# KiCad board hall effect keyboard.kicad_pcb (continued)
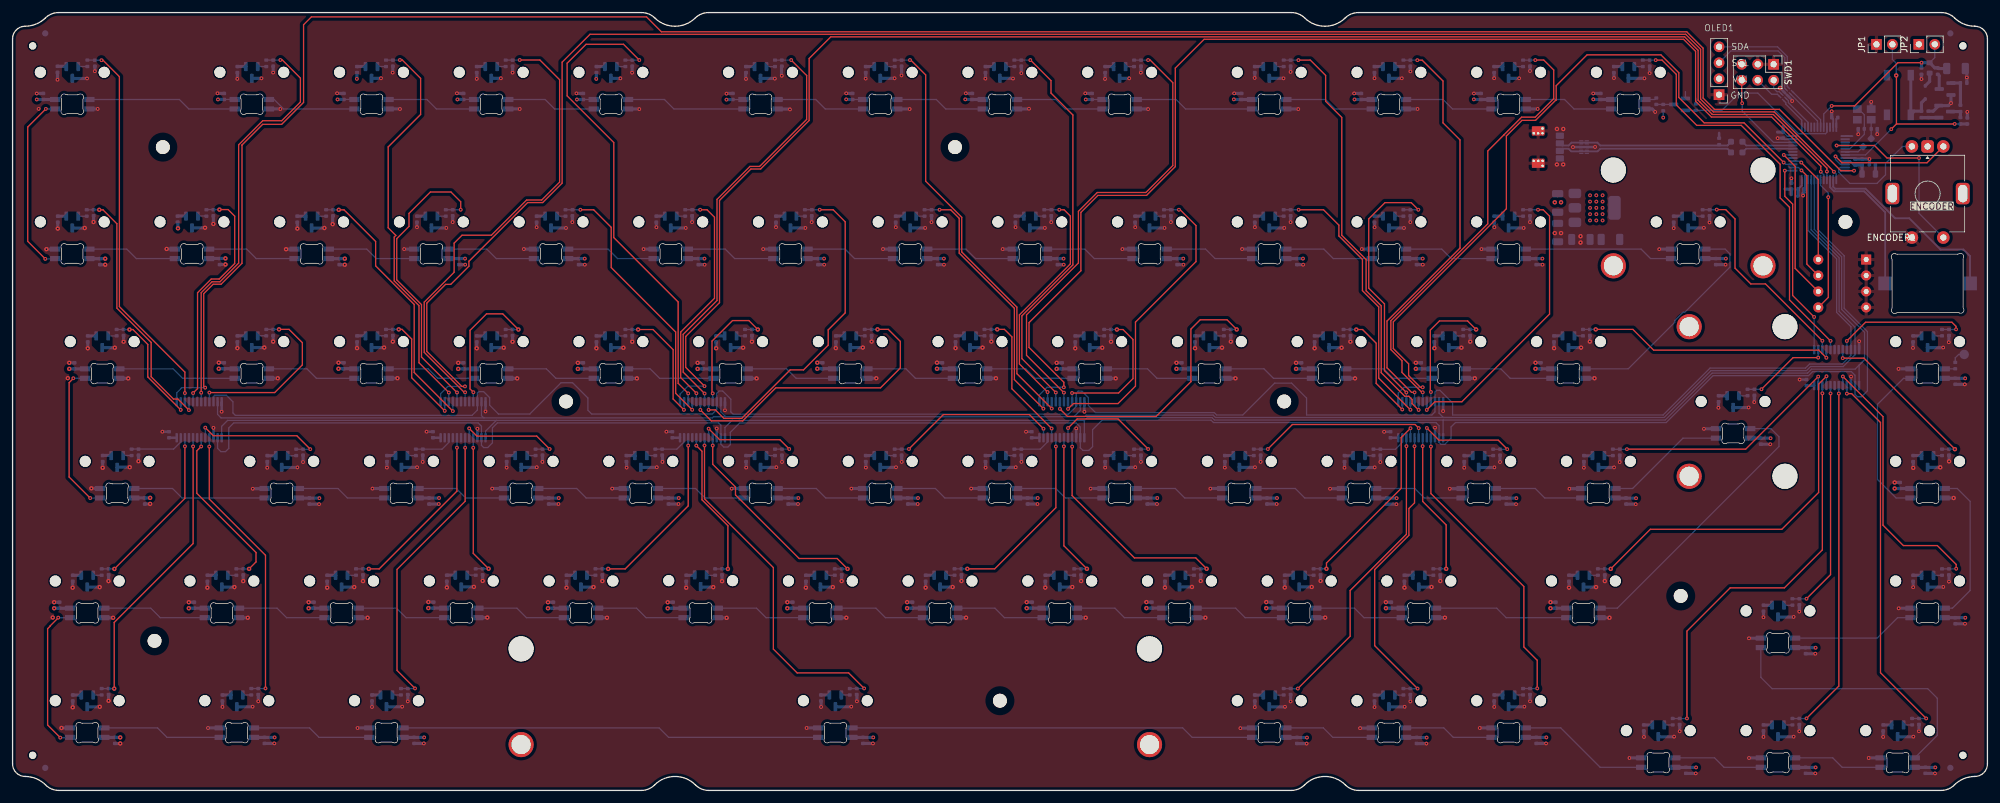
[diagram p0: board, top side]
## Placement (name value [footprint] x y rotation side) (continued)
HALL73  SLSS49E-3  [SLSS49E-3 with MX holes]  35.69 14.28 180 bottom
HALL74  SLSS49E-3  [SLSS49E-3 with MX holes]  59.5 14.28 180 bottom
HALL75  SLSS49E-3  [SLSS49E-3 with MX holes]  130.94 14.28 180 bottom
HALL76  SLSS49E-3  [SLSS49E-3 with MX holes]  200 14.28 180 bottom
HALL77  SLSS49E-3  [SLSS49E-3 with MX holes]  219.05 14.28 180 bottom
HALL78  SLSS49E-3  [SLSS49E-3 with MX holes]  238.1 14.28 180 bottom
HALL79  SLSS49E-3  [SLSS49E-3 with MX holes]  261.91 9.52 180 bottom
HALL80  SLSS49E-3  [SLSS49E-3 with MX holes]  280.96 9.52 180 bottom
HALL81  SLSS49E-3  [SLSS49E-3 with MX holes]  300.01 9.52 180 bottom
JP1  Jumper_2_Open  [PinHeader_1x02_P2.54mm_Vertical]  296.64 118.74 90 top
JP2  Jumper_2_Open  [PinHeader_1x02_P2.54mm_Vertical]  303.38 118.74 90 top
LED1  MX_SK6812MINI-EA  [SK 6812 MINI-EA]  257.15 109.21 180 bottom
LED2  MX_SK6812MINI-EA  [SK 6812 MINI-EA]  238.1 109.21 180 bottom
LED3  MX_SK6812MINI-EA  [SK 6812 MINI-EA]  219.05 109.21 180 bottom
LED4  MX_SK6812MINI-EA  [SK 6812 MINI-EA]  200 109.21 180 bottom
LED5  MX_SK6812MINI-EA  [SK 6812 MINI-EA]  176.19 109.21 180 bottom
LED6  MX_SK6812MINI-EA  [SK 6812 MINI-EA]  157.14 109.21 180 bottom
LED7  MX_SK6812MINI-EA  [SK 6812 MINI-EA]  138.09 109.21 180 bottom
LED8  MX_SK6812MINI-EA  [SK 6812 MINI-EA]  119.04 109.21 180 bottom
LED9  MX_SK6812MINI-EA  [SK 6812 MINI-EA]  95.23 109.21 180 bottom
LED10  MX_SK6812MINI-EA  [SK 6812 MINI-EA]  76.17 109.21 180 bottom
LED11  MX_SK6812MINI-EA  [SK 6812 MINI-EA]  57.12 109.21 180 bottom
LED12  MX_SK6812MINI-EA  [SK 6812 MINI-EA]  38.08 109.21 180 bottom
LED13  MX_SK6812MINI-EA  [SK 6812 MINI-EA]  9.5 109.21 180 bottom
LED14  MX_SK6812MINI-EA  [SK 6812 MINI-EA#2]  9.5 85.4 180 bottom
LED15  MX_SK6812MINI-EA  [SK 6812 MINI-EA#2]  28.55 85.4 180 bottom
LED16  MX_SK6812MINI-EA  [SK 6812 MINI-EA#2]  47.6 85.4 180 bottom
LED17  MX_SK6812MINI-EA  [SK 6812 MINI-EA#2]  66.65 85.4 180 bottom
LED18  MX_SK6812MINI-EA  [SK 6812 MINI-EA#2]  85.7 85.4 180 bottom
LED19  MX_SK6812MINI-EA  [SK 6812 MINI-EA#2]  104.75 85.4 180 bottom
LED20  MX_SK6812MINI-EA  [SK 6812 MINI-EA#2]  123.8 85.4 180 bottom
LED21  MX_SK6812MINI-EA  [SK 6812 MINI-EA#2]  142.85 85.4 180 bottom
LED22  MX_SK6812MINI-EA  [SK 6812 MINI-EA#2]  161.9 85.4 180 bottom
LED23  MX_SK6812MINI-EA  [SK 6812 MINI-EA#2]  180.95 85.4 180 bottom
LED24  MX_SK6812MINI-EA  [SK 6812 MINI-EA#2]  200 85.4 180 bottom
LED25  MX_SK6812MINI-EA  [SK 6812 MINI-EA#2]  219.05 85.4 180 bottom
LED26  MX_SK6812MINI-EA  [SK 6812 MINI-EA#2]  238.1 85.4 180 bottom
LED27  MX_SK6812MINI-EA  [SK 6812 MINI-EA#2]  266.68 85.4 180 bottom
LED28  MX_SK6812MINI-EA  [SK 6812 MINI-EA]  247.62 66.35 180 bottom
LED29  MX_SK6812MINI-EA  [SK 6812 MINI-EA]  228.57 66.35 180 bottom
LED30  MX_SK6812MINI-EA  [SK 6812 MINI-EA]  209.52 66.35 180 bottom
LED31  MX_SK6812MINI-EA  [SK 6812 MINI-EA]  190.48 66.35 180 bottom
LED32  MX_SK6812MINI-EA  [SK 6812 MINI-EA]  171.43 66.35 180 bottom
LED33  MX_SK6812MINI-EA  [SK 6812 MINI-EA]  152.38 66.35 180 bottom
LED34  MX_SK6812MINI-EA  [SK 6812 MINI-EA]  133.32 66.35 180 bottom
LED35  MX_SK6812MINI-EA  [SK 6812 MINI-EA]  114.27 66.35 180 bottom
LED36  MX_SK6812MINI-EA  [SK 6812 MINI-EA]  95.23 66.35 180 bottom
LED37  MX_SK6812MINI-EA  [SK 6812 MINI-EA]  76.17 66.35 180 bottom
LED38  MX_SK6812MINI-EA  [SK 6812 MINI-EA]  57.12 66.35 180 bottom
LED39  MX_SK6812MINI-EA  [SK 6812 MINI-EA]  38.08 66.35 180 bottom
LED40  MX_SK6812MINI-EA  [SK 6812 MINI-EA]  14.26 66.35 180 bottom
LED41  MX_SK6812MINI-EA  [SK 6812 MINI-EA#2]  16.64 47.3 180 bottom
LED42  MX_SK6812MINI-EA  [SK 6812 MINI-EA#2]  42.84 47.3 180 bottom
LED43  MX_SK6812MINI-EA  [SK 6812 MINI-EA#2]  61.89 47.3 180 bottom
LED44  MX_SK6812MINI-EA  [SK 6812 MINI-EA#2]  80.94 47.3 180 bottom
LED45  MX_SK6812MINI-EA  [SK 6812 MINI-EA#2]  99.99 47.3 180 bottom
LED46  MX_SK6812MINI-EA  [SK 6812 MINI-EA#2]  119.04 47.3 180 bottom
LED47  MX_SK6812MINI-EA  [SK 6812 MINI-EA#2]  138.09 47.3 180 bottom
LED48  MX_SK6812MINI-EA  [SK 6812 MINI-EA#2]  157.14 47.3 180 bottom
LED49  MX_SK6812MINI-EA  [SK 6812 MINI-EA#2]  176.19 47.3 180 bottom
LED50  MX_SK6812MINI-EA  [SK 6812 MINI-EA#2]  195.24 47.3 180 bottom
LED51  MX_SK6812MINI-EA  [SK 6812 MINI-EA#2]  214.29 47.3 180 bottom
LED52  MX_SK6812MINI-EA  [SK 6812 MINI-EA#2]  233.34 47.3 180 bottom
LED53  MX_SK6812MINI-EA  [SK 6812 MINI-EA#2]  252.39 47.3 180 bottom
LED54  MX_SK6812MINI-EA  [SK 6812 MINI-EA#2]  273.82 56.82 180 bottom
LED55  MX_SK6812MINI-EA  [SK 6812 MINI-EA]  250.01 28.25 180 bottom
LED56  MX_SK6812MINI-EA  [SK 6812 MINI-EA]  223.81 28.25 180 bottom
LED57  MX_SK6812MINI-EA  [SK 6812 MINI-EA]  204.76 28.25 180 bottom
LED58  MX_SK6812MINI-EA  [SK 6812 MINI-EA]  185.71 28.25 180 bottom
LED59  MX_SK6812MINI-EA  [SK 6812 MINI-EA]  166.66 28.25 180 bottom
LED60  MX_SK6812MINI-EA  [SK 6812 MINI-EA]  147.61 28.25 180 bottom
LED61  MX_SK6812MINI-EA  [SK 6812 MINI-EA]  128.56 28.25 180 bottom
LED62  MX_SK6812MINI-EA  [SK 6812 MINI-EA]  109.51 28.25 180 bottom
LED63  MX_SK6812MINI-EA  [SK 6812 MINI-EA]  90.46 28.25 180 bottom
LED64  MX_SK6812MINI-EA  [SK 6812 MINI-EA]  71.41 28.25 180 bottom
LED65  MX_SK6812MINI-EA  [SK 6812 MINI-EA]  52.36 28.25 180 bottom
LED66  MX_SK6812MINI-EA  [SK 6812 MINI-EA]  33.31 28.25 180 bottom
LED67  MX_SK6812MINI-EA  [SK 6812 MINI-EA]  11.88 28.25 180 bottom
LED68  MX_SK6812MINI-EA  [SK 6812 MINI-EA#2]  11.88 9.2 180 bottom
LED69  MX_SK6812MINI-EA  [SK 6812 MINI-EA#2]  35.69 9.2 180 bottom
LED70  MX_SK6812MINI-EA  [SK 6812 MINI-EA#2]  59.5 9.2 180 bottom
LED71  MX_SK6812MINI-EA  [SK 6812 MINI-EA#2]  130.94 9.2 180 bottom
LED72  MX_SK6812MINI-EA  [SK 6812 MINI-EA#2]  200 9.2 180 bottom
LED73  MX_SK6812MINI-EA  [SK 6812 MINI-EA#2]  219.05 9.2 180 bottom
LED74  MX_SK6812MINI-EA  [SK 6812 MINI-EA#2]  238.1 9.2 180 bottom
LED75  MX_SK6812MINI-EA  [SK 6812 MINI-EA#2]  261.91 4.44 180 bottom
LED76  MX_SK6812MINI-EA  [SK 6812 MINI-EA#2]  280.96 4.44 180 bottom
LED77  MX_SK6812MINI-EA  [SK 6812 MINI-EA#2]  300.01 4.44 180 bottom
LED78  MX_SK6812MINI-EA  [SK 6812 MINI-EA#2]  280.96 23.49 180 bottom
LED79  MX_SK6812MINI-EA  [SK 6812 MINI-EA#2]  304.78 28.25 180 bottom
LED80  MX_SK6812MINI-EA  [SK 6812 MINI-EA]  304.78 47.3 180 bottom
LED81  MX_SK6812MINI-EA  [SK 6812 MINI-EA#2]  304.78 66.35 180 bottom
OLED1  Conn_01x04_Socket  [OLED Module]  271.59 114.54 0 top
Q1  BSS138  [SOT-23]  265.3 109.18 180 bottom
Q2  BSS138  [SOT-23]  307.56 111.63 180 bottom
Q3  BSS138  [SOT-23]  307.5 108.04 0 bottom
R1  10k  [R_0402_1005Metric]  11.9 115.73 90 bottom
R2  10k  [R_0402_1005Metric]  40.38 115.72 90 bottom
R3  10k  [R_0402_1005Metric]  59.42 115.72 90 bottom
R4  10k  [R_0402_1005Metric]  78.48 115.72 90 bottom
R5  10k  [R_0402_1005Metric]  97.52 115.72 90 bottom
R6  10k  [R_0402_1005Metric]  121.34 115.72 90 bottom
R7  10k  [R_0402_1005Metric]  140.39 115.72 90 bottom
R8  10k  [R_0402_1005Metric]  159.44 115.72 90 bottom
R9  10k  [R_0402_1005Metric]  178.49 115.72 90 bottom
R10  10k  [R_0402_1005Metric]  202.3 115.72 90 bottom
R11  10k  [R_0402_1005Metric]  221.35 115.72 90 bottom
R12  10k  [R_0402_1005Metric]  240.4 115.72 90 bottom
R13  10k  [R_0402_1005Metric]  259.45 115.72 90 bottom
R14  10k  [R_0402_1005Metric]  11.8 91.91 90 bottom
R15  10k  [R_0402_1005Metric]  30.85 91.91 90 bottom
R16  10k  [R_0402_1005Metric]  49.9 91.91 90 bottom
R17  10k  [R_0402_1005Metric]  68.95 91.91 90 bottom
R18  10k  [R_0402_1005Metric]  88 91.91 90 bottom
R19  10k  [R_0402_1005Metric]  107.05 91.91 90 bottom
R20  10k  [R_0402_1005Metric]  126.1 91.91 90 bottom
R21  10k  [R_0402_1005Metric]  145.15 91.91 90 bottom
R22  10k  [R_0402_1005Metric]  164.2 91.91 90 bottom
R23  10k  [R_0402_1005Metric]  183.25 91.91 90 bottom
R24  10k  [R_0402_1005Metric]  202.3 91.91 90 bottom
R25  10k  [R_0402_1005Metric]  221.35 91.91 90 bottom
R26  10k  [R_0402_1005Metric]  240.4 91.91 90 bottom
R27  10k  [R_0402_1005Metric]  268.98 91.91 90 bottom
R28  10k  [R_0402_1005Metric]  16.56 72.86 90 bottom
R29  10k  [R_0402_1005Metric]  40.38 72.86 90 bottom
R30  10k  [R_0402_1005Metric]  59.42 72.86 90 bottom
R31  10k  [R_0402_1005Metric]  78.48 72.86 90 bottom
R32  10k  [R_0402_1005Metric]  97.52 72.86 90 bottom
R33  10k  [R_0402_1005Metric]  116.58 72.86 90 bottom
R34  10k  [R_0402_1005Metric]  135.62 72.86 90 bottom
R35  10k  [R_0402_1005Metric]  154.68 72.86 90 bottom
R36  10k  [R_0402_1005Metric]  173.73 72.86 90 bottom
R37  10k  [R_0402_1005Metric]  192.77 72.86 90 bottom
R38  10k  [R_0402_1005Metric]  211.82 72.86 90 bottom
R39  10k  [R_0402_1005Metric]  230.88 72.86 90 bottom
R40  10k  [R_0402_1005Metric]  249.93 72.86 90 bottom
R41  10k  [R_0402_1005Metric]  276.12 63.33 90 bottom
R42  10k  [R_0402_1005Metric]  307.07 72.86 90 bottom
R43  10k  [R_0402_1005Metric]  18.94 53.81 90 bottom
R44  10k  [R_0402_1005Metric]  45.14 53.81 90 bottom
R45  10k  [R_0402_1005Metric]  64.19 53.81 90 bottom
R46  10k  [R_0402_1005Metric]  83.24 53.81 90 bottom
R47  10k  [R_0402_1005Metric]  102.29 53.81 90 bottom
R48  10k  [R_0402_1005Metric]  121.34 53.81 90 bottom
R49  10k  [R_0402_1005Metric]  140.39 53.81 90 bottom
R50  10k  [R_0402_1005Metric]  159.44 53.81 90 bottom
R51  10k  [R_0402_1005Metric]  178.49 53.81 90 bottom
R52  10k  [R_0402_1005Metric]  197.54 53.81 90 bottom
R53  10k  [R_0402_1005Metric]  216.59 53.81 90 bottom
R54  10k  [R_0402_1005Metric]  235.64 53.81 90 bottom
R55  10k  [R_0402_1005Metric]  254.69 53.81 90 bottom
R56  10k  [R_0402_1005Metric]  307.07 53.81 90 bottom
R57  10k  [R_0402_1005Metric]  14.18 34.76 90 bottom
R58  10k  [R_0402_1005Metric]  35.61 34.76 90 bottom
R59  10k  [R_0402_1005Metric]  54.66 34.76 90 bottom
R60  10k  [R_0402_1005Metric]  73.71 34.76 90 bottom
R61  10k  [R_0402_1005Metric]  92.76 34.76 90 bottom
R62  10k  [R_0402_1005Metric]  111.81 34.76 90 bottom
R63  10k  [R_0402_1005Metric]  130.86 34.76 90 bottom
R64  10k  [R_0402_1005Metric]  149.91 34.76 90 bottom
R65  10k  [R_0402_1005Metric]  168.96 34.76 90 bottom
R66  10k  [R_0402_1005Metric]  188.01 34.76 90 bottom
R67  10k  [R_0402_1005Metric]  207.06 34.76 90 bottom
R68  10k  [R_0402_1005Metric]  226.11 34.76 90 bottom
R69  10k  [R_0402_1005Metric]  252.31 34.76 90 bottom
R70  10k  [R_0402_1005Metric]  307.07 34.76 90 bottom
R71  10k  [R_0402_1005Metric]  283.26 29.99 90 bottom
R72  10k  [R_0402_1005Metric]  14.18 15.71 90 bottom
R73  10k  [R_0402_1005Metric]  37.99 15.71 90 bottom
R74  10k  [R_0402_1005Metric]  61.81 15.71 90 bottom
R75  10k  [R_0402_1005Metric]  133.24 15.71 90 bottom
R76  10k  [R_0402_1005Metric]  202.3 15.71 90 bottom
R77  10k  [R_0402_1005Metric]  221.35 15.71 90 bottom
R78  10k  [R_0402_1005Metric]  240.4 15.71 90 bottom
R79  10k  [R_0402_1005Metric]  264.21 10.94 90 bottom
R80  10k  [R_0402_1005Metric]  283.26 10.94 90 bottom
R81  10k  [R_0402_1005Metric]  302.31 10.94 90 bottom
R82  1  [R_1206_3216Metric]  245.9 88.79 270 bottom
R83  1  [R_1206_3216Metric]  249.6 87.69 180 bottom
R84  1k5  [R_0402_1005Metric]  271.6 103.29 90 bottom
R85  0  [R_0603_1608Metric_Pad0.98x0.95mm_HandSolder]  274.4 101.54 0 bottom
R86  0  [R_0603_1608Metric_Pad0.98x0.95mm_HandSolder]  274.4 103.24 0 bottom
R87  0  [R_0603_1608Metric_Pad0.98x0.95mm_HandSolder]  295.15 103.09 225 bottom
R88  330k  [R_0603_1608Metric]  305.1 114.99 90 bottom
R89  1M  [R_0402_1005Metric]  303.8 114.48 270 bottom
R90  10k  [R_0402_1005Metric]  306.4 114.48 270 bottom
R91  100k  [R_0402_1005Metric]  310.51 112.58 0 bottom
R92  10k  [R_0402_1005Metric]  310 108.55 270 bottom
R93  1k  [R_0402_1005Metric]  303.8 107.6 90 bottom
R94  10k  [R_0402_1005Metric]  304.9 107.6 90 bottom
R95  100  [R_0402_1005Metric]  310 106.58 90 bottom
R96  470R  [R_0402_1005Metric]  309.18 67.61 270 bottom
R97  470  [R_0402_1005Metric]  261.6 109.69 90 bottom
R98  1k  [R_0402_1005Metric]  262.7 108.67 270 bottom
R99  10k  [R_0402_1005Metric]  267.9 108.74 90 bottom
S1  STAB_MX_6.25u  [STAB_MX_P_6.25u]  130.94 14.28 180 top
S2  STAB_MX_2u  [STAB_MX_P_2u]  266.68 90.48 180 top
S3  STAB_MX_ISO  [STAB_MX_P_ISO]  273.82 61.9 0 top
SW1  SW_SPST  [SW_SPST_TL3342]  300.2 110.68 270 bottom
SW2  SW_DIP_x04  [SW_DIP_SPSTx04_Slide_6.7x11.72mm_W7.62mm_P2.54mm_LowProfile]  295 84.49 180 bottom
SWD1  Conn_02x03_Odd_Even  [PinHeader_2x03_P2.54mm_Vertical]  280.27 115.57 270 top
TH1  ToolingHole  [JLC-Tooling-Hole]  3.2 118.49 0 top
TH2  ToolingHole  [JLC-Tooling-Hole]  3.2 5.59 0 top
TH3  ToolingHole  [JLC-Tooling-Hole]  310.4 5.59 0 top
TH4  ToolingHole  [JLC-Tooling-Hole]  310.4 118.49 0 top
TP1  RGB_DATA_OUT  [TestPoint_Pad_D1.5mm]  310.6 69.39 180 bottom
U1  STM32F303CBTx  [LQFP-48_7x7mm_P0.5mm]  287.5 101.39 180 bottom
U2  AMS1117-3.3  [SOT-223-3_TabPin2]  251.79 92.72 0 bottom
U3  H5VU25U  [DFN2510]  282.25 110.83 45 bottom
U4  H5VU25U  [DFN2510]  250.1 102.39 270 bottom
U5  74HC4067  [TSSOP-24_4.4x7.8mm_P0.65mm]  29.7 58.99 270 bottom
U6  74HC4067  [TSSOP-24_4.4x7.8mm_P0.65mm]  71.7 58.99 270 bottom
U7  74HC4067  [TSSOP-24_4.4x7.8mm_P0.65mm]  109.8 58.99 270 bottom
U8  74HC4067  [TSSOP-24_4.4x7.8mm_P0.65mm]  167 58.99 270 bottom
U9  74HC4067  [TSSOP-24_4.4x7.8mm_P0.65mm]  224.1 58.99 270 bottom
U10  74HC4067  [TSSOP-24_4.4x7.8mm_P0.65mm]  290.3 67.29 270 bottom
USB1  X1224WRS-04-LPV01  [PicoEZMate-Reinforced-Alt]  244.3 102.39 90 bottom
Y1  16MHz  [Crystal_SMD_3225-4Pin_3.2x2.5mm]  294.7 107.59 0 bottom

## Library data of the parts
BZ1 = -: Description: Buzzer, polarized; ki_fp_filters: *Buzzer*
C1-C162 C169-C262 = -: Description: Unpolarized capacitor, small symbol; ki_fp_filters: C_*
C163-C168 = -: ki_fp_filters: C_*
D1 = -: Datasheet: https://www.vishay.com/docs/85751/1n4148ws.pdf; Description: 75V 0.15A Fast switching Diode, SOD-323; Sim.Device: D; Sim.Pins: 1=K 2=A; ki_fp_filters: D*SOD?323*
ENCODER1 = -: Description: Rotary encoder, dual channel, incremental quadrate outputs, with switch; ki_fp_filters: RotaryEncoder*Switch*
FB1 = -: Description: Ferrite bead, small symbol; ki_fp_filters: Inductor_* L_* *Ferrite*
FID1-FID4 = -: Description: Fiducial Marker; ki_fp_filters: Fiducial*
H1-H8 = -: Description: Mounting Hole with connection; ki_fp_filters: MountingHole*Pad*
JP1 JP2 = -: Description: Jumper, 2-pole, open; ki_fp_filters: Jumper* TestPoint*2Pads* TestPoint*Bridge*
LED1-LED81 = -: Description: Reverse mount adressable LED (WS2812 protocol); Field4: 1
OLED1 = -: Description: Generic connector, single row, 01x04, script generated; ki_fp_filters: Connector*:*_1x??_*
Q1 = -: Datasheet: https://www.onsemi.com/pub/Collateral/BSS138-D.PDF; Description: 50V Vds, 0.22A Id, N-Channel MOSFET, SOT-23; ki_fp_filters: SOT?23*
Q2 Q3 = -: Datasheet: https://www.onsemi.com/pub/Collateral/NDS7002A-D.PDF; Description: 0.115A Id, 60V Vds, N-Channel MOSFET, SOT-23; ki_fp_filters: SOT?23*
R1-R99 = -: Description: Resistor, small symbol; ki_fp_filters: R_*
S1-S3 = -: Description: Cherry MX-style stabilizer
SW1 = -: Description: Single Pole Single Throw (SPST) switch
SW2 = -: Description: 4x DIP Switch, Single Pole Single Throw (SPST) switch, small symbol; ki_fp_filters: SW?DIP?x4*
SWD1 = -: Description: Generic connector, double row, 02x03, odd/even pin numbering scheme (row 1 odd numbers, row 2 even numbers), script generated (kicad-library-utils/schlib/autogen/connector/); ki_fp_filters: Connector*:*_2x??_*
TH1-TH4 = -: Description: Mounting Hole without connection; ki_fp_filters: MountingHole*
TP1 = -: Description: test point; ki_fp_filters: Pin* Test*
U1 = -: Datasheet: https://www.st.com/resource/en/datasheet/stm32f303cb.pdf; ki_fp_filters: LQFP*7x7mm*P0.5mm*
U2 = -: Datasheet: http://www.advanced-monolithic.com/pdf/ds1117.pdf; Description: 1A Low Dropout regulator, positive, 3.3V fixed output, SOT-223; ki_fp_filters: SOT?223*TabPin2*
U3 U4 = -: Manufacturer: Texas Instruments; Manufacturer Part Number: TPD4E05U06DQAR; Package: uSON-10; LCSC Part Number: C138714; ki_fp_filters: USON*2.5x1.0mm*P0.5mm*
U5-U10 = -: Datasheet: http://www.ti.com/lit/ds/symlink/cd74hc4067.pdf; Description: High-Speed CMOS Logic 16-Channel Analog Multiplexer/Demultiplexer, SOIC-24; ki_fp_filters: SOIC*W*7.5x15.4mm*P1.27mm*
USB1 = -: Manufacturer: XKB Connectivity; LCSC Part Number: C528030; ki_fp_filters: Connector*:*_1x??-1MP*
Y1 = -: Description: Four pin crystal, GND on pins 2 and 4; ki_fp_filters: Crystal*

## Footprints (pads in the part's own frame, mm; a bottom-side part is the same pattern mirrored in y, then rotated)
2.2mm hole
  round 2.2 hole 2.2 unplated: (0,0)
AST1109MLTRQ
  rect 2.2x2.2 smd: 1(-6.752,0) 2(6.752,0)
C_0402_1005Metric
  rrect 0.56x0.62 smd: 1(-0.48,0) 2(0.48,0)
C_1206_3216Metric
  rrect 1.15x1.8 smd: 1(-1.475,0) 2(1.475,0)
Crystal_SMD_3225-4Pin_3.2x2.5mm
  rect 1.4x1.2 smd: 1(-1.1,-0.85) 2(1.1,-0.85) 3(1.1,0.85) 4(-1.1,0.85)
D_SOD-323
  rrect 0.6x0.45 smd: 1(-1.05,0) 2(1.05,0)
DFN2510
  rect 0.2x0.675 smd: 1(-1,-0.438) 2(-0.5,-0.438) 4(0.5,-0.438) 5(1,-0.438) 6(1,0.438) 7(0.5,0.438) 9(-0.5,0.438) 10(-1,0.438)
  rect 0.4x0.775 smd: 3(0,-0.388) 8(0,0.388)
Fiducial_1mm_Mask2mm
  round 1 smd: (0,0)
JLC-Tooling-Hole
  round 1.152 hole 1.152 unplated: (0,0)
L_0805_2012Metric
  rrect 0.875x1.2 smd: 1(-1.062,0) 2(1.062,0)
LQFP-48_7x7mm_P0.5mm
  rrect 1.475x0.3 smd: 1(-4.162,2.75) 2(-4.162,2.25) 3(-4.162,1.75) 4(-4.162,1.25) 5(-4.162,0.75) 6(-4.162,0.25) 7(-4.162,-0.25) 8(-4.162,-0.75) 9(-4.162,-1.25) 10(-4.162,-1.75) 11(-4.162,-2.25) 12(-4.162,-2.75) 25(4.162,-2.75) 26(4.162,-2.25) 27(4.162,-1.75) 28(4.162,-1.25) 29(4.162,-0.75) 30(4.162,-0.25) 31(4.162,0.25) 32(4.162,0.75) 33(4.162,1.25) 34(4.162,1.75) 35(4.162,2.25) 36(4.162,2.75)
  rrect 0.3x1.475 smd: 13(-2.75,-4.162) 14(-2.25,-4.162) 15(-1.75,-4.162) 16(-1.25,-4.162) 17(-0.75,-4.162) 18(-0.25,-4.162) 19(0.25,-4.162) 20(0.75,-4.162) 21(1.25,-4.162) 22(1.75,-4.162) 23(2.25,-4.162) 24(2.75,-4.162) 37(2.75,4.162) 38(2.25,4.162) 39(1.75,4.162) 40(1.25,4.162) 41(0.75,4.162) 42(0.25,4.162) 43(-0.25,4.162) 44(-0.75,4.162) 45(-1.25,4.162) 46(-1.75,4.162) 47(-2.25,4.162) 48(-2.75,4.162)
OLED Module
  rect 1.7x1.7 hole 1: 1(0,-3.81)
  oval 1.7x1.7 hole 1: 2(0,-1.27) 3(0,1.27) 4(0,3.81)
PicoEZMate-Reinforced-Alt
  rrect 0.7x1 smd: (-2.95,-2) (2.95,-2)
  rrect 0.75x1.2 smd: (-1.8,2) (-0.6,2) (0.6,2) (1.8,2)
  rrect 1x1.3 smd: 1(-1.8,1.95) 2(-0.6,1.95) 3(0.6,1.95) 4(1.8,1.95)
  round 0.6 hole 0.4: MP(-3,-0.8) MP(-2.2,-2.2) MP(-2.2,-1.5) MP(-2.2,-0.8) MP(2.2,-0.8) MP(2.2,-2.2) MP(2.2,-1.5) MP(2.95,-0.8)
  rrect 1.45x2 smd far side: MP(-2.575,-1.5) MP(2.575,-1.5)
  rrect 1.45x2 smd: MP(-2.575,-1.5) MP(2.575,-1.5)
PinHeader_1x02_P2.54mm_Vertical
  rect 1.7x1.7 hole 1: 1(0,0)
  oval 1.7x1.7 hole 1: 2(0,-2.54)
PinHeader_2x03_P2.54mm_Vertical
  rect 1.7x1.7 hole 1: 1(0,0)
  oval 1.7x1.7 hole 1: 2(2.54,0) 3(0,-2.54) 4(2.54,-2.54) 5(0,-5.08) 6(2.54,-5.08)
R_0402_1005Metric
  rrect 0.54x0.64 smd: 1(-0.51,0) 2(0.51,0)
R_0603_1608Metric
  rrect 0.8x0.95 smd: 1(-0.825,0) 2(0.825,0)
R_0603_1608Metric_Pad0.98x0.95mm_HandSolder
  rrect 0.975x0.95 smd: 1(-0.912,0) 2(0.912,0)
R_1206_3216Metric
  rrect 1.125x1.75 smd: 1(-1.462,0) 2(1.462,0)
ROT_Alps_EC11E-Switch
  round 2 hole 1: A(-2.5,-7.5) B(2.5,-7.5) S1(2.5,7) S2(-2.5,7)
  rrect 2x2 hole 1: C(0,-7.5)
  rrect 2.2x3.4 hole 1.5x2.8: MP(-5.6,0) MP(5.6,0)
SK 6812 MINI-EA
  rrect 1.65x0.82 smd: 1(2.725,0.755) 2(2.725,-0.755) 3(-2.725,-0.755) 4(-2.725,0.755)
SK 6812 MINI-EA#2
  rrect 1.65x0.82 smd: 1(-2.725,-0.755) 2(-2.725,0.755) 3(2.725,0.755) 4(2.725,-0.755)
SLSS49E-3 with MX holes
  round 1.75 hole 1.75 unplated: (-5.08,0) (5.08,0)
  rrect 0.6x1.475 smd: 1(0.95,0.917) 2(0,-0.958) 3(-0.95,0.917)
SOT-23
  rrect 1.475x0.6 smd: 1(-0.938,0.95) 2(-0.938,-0.95) 3(0.938,0)
SOT-223-3_TabPin2
  rrect 2x1.5 smd: 1(-3.15,2.3) 2(-3.15,0) 3(-3.15,-2.3)
  rrect 2x3.8 smd: 2(3.15,0)
STAB_MX_P_2u
  round 4 hole 3.048: (-11.906,6.985) (11.906,6.985)
  round 3.988 hole 3.988 unplated: (-11.906,-8.255) (11.906,-8.255)
STAB_MX_P_6.25u
  round 4 hole 3.048: (-50.006,6.985) (50.006,6.985)
  round 3.988 hole 3.988 unplated: (-50.006,-8.255) (50.006,-8.255)
STAB_MX_P_ISO
  round 4 hole 3.048: (-6.985,11.906) (-6.985,-11.906)
  round 3.988 hole 3.988 unplated: (8.255,11.906) (8.255,-11.906)
SW_DIP_SPSTx04_Slide_6.7x11.72mm_W7.62mm_P2.54mm_LowProfile
  rect 1.6x1.6 hole 0.8: 1(0,0)
  oval 1.6x1.6 hole 0.8: 2(0,-2.54) 3(0,-5.08) 4(0,-7.62) 5(7.62,-7.62) 6(7.62,-5.08) 7(7.62,-2.54) 8(7.62,0)
SW_SPST_TL3342
  rect 1.7x1 smd: 1(-3.15,1.9) 1(3.15,1.9) 2(-3.15,-1.9) 2(3.15,-1.9)
TestPoint_Pad_D1.5mm
  round 1.5 smd: 1(0,0)
TSSOP-24_4.4x7.8mm_P0.65mm
  rrect 1.475x0.4 smd: 1(-2.862,3.575) 2(-2.862,2.925) 3(-2.862,2.275) 4(-2.862,1.625) 5(-2.862,0.975) 6(-2.862,0.325) 7(-2.862,-0.325) 8(-2.862,-0.975) 9(-2.862,-1.625) 10(-2.862,-2.275) 11(-2.862,-2.925) 12(-2.862,-3.575) 13(2.862,-3.575) 14(2.862,-2.925) 15(2.862,-2.275) 16(2.862,-1.625) 17(2.862,-0.975) 18(2.862,-0.325) 19(2.862,0.325) 20(2.862,0.975) 21(2.862,1.625) 22(2.862,2.275) 23(2.862,2.925) 24(2.862,3.575)

## Nets
+3V3: C1.1 C3.1 C5.1 C7.1 C9.1 C11.1 C13.1 C15.1 C17.1 C19.1 C21.1 C23.1 C25.1 C27.1 C29.1 C31.1 C33.1 C35.1 C37.1 C39.1 C41.1 C43.1 C45.1 C47.1 C49.1 C51.1 C53.1 C55.1 C57.1 C59.1 C61.1 C63.1 C65.1 C67.1 C69.1 C71.1 C73.1 C75.1 C77.1 C79.1 C81.1 C83.1 C85.1 C87.1 C89.1 C91.1 C93.1 C95.1 C97.1 C99.1 C101.1 C103.1 C105.1 C107.1 C109.1 C111.1 C113.1 C115.1 C117.1 C119.1 C121.1 C123.1 C125.1 C127.1 C129.1 C131.1 C133.1 C135.1 C137.1 C139.1 C141.1 C143.1 C145.1 C147.1 C149.1 C151.1 C153.1 C155.1 C157.1 C159.1 C161.1 C163.1 C164.1 C165.1 C166.1 C167.1 C168.1 C170.1 C175.1 C176.1 C177.1 C178.1 C181.1 FB1.2 HALL1.1 HALL2.1 HALL3.1 HALL4.1 HALL5.1 HALL6.1 HALL7.1 HALL8.1 HALL9.1 HALL10.1 HALL11.1 HALL12.1 HALL13.1 HALL14.1 HALL15.1 HALL16.1 HALL17.1 HALL18.1 HALL19.1 HALL20.1 HALL21.1 HALL22.1 HALL23.1 HALL24.1 HALL25.1 HALL26.1 HALL27.1 HALL28.1 HALL29.1 HALL30.1 HALL31.1 HALL32.1 HALL33.1 HALL34.1 HALL35.1 HALL36.1 HALL37.1 HALL38.1 HALL39.1 HALL40.1 HALL41.1 HALL42.1 HALL43.1 HALL44.1 HALL45.1 HALL46.1 HALL47.1 HALL48.1 HALL49.1 HALL50.1 HALL51.1 HALL52.1 HALL53.1 HALL54.1 HALL55.1 HALL56.1 HALL57.1 HALL58.1 HALL59.1 HALL60.1 HALL61.1 HALL62.1 HALL63.1 HALL64.1 HALL65.1 HALL66.1 HALL67.1 HALL68.1 HALL69.1 HALL70.1 HALL71.1 HALL72.1 HALL73.1 HALL74.1 HALL75.1 HALL76.1 HALL77.1 HALL78.1 HALL79.1 HALL80.1 HALL81.1 JP2.1 OLED1.2 Q1.1 R84.2 R99.2 SW1.1 SWD1.5 U1.1 U1.24 U1.36 U1.48 U2.2 U5.24 U6.24 U7.24 U8.24 U9.24 U10.24
+5V: C169.1 C182.1 C183.1 C184.1 C185.1 C186.1 C187.1 C188.1 C189.1 C190.1 C191.1 C192.1 C193.1 C194.1 C195.1 C196.1 C197.1 C198.1 C199.1 C200.1 C201.1 C202.1 C203.1 C204.1 C205.1 C206.1 C207.1 C208.1 C209.1 C210.1 C211.1 C212.1 C213.1 C214.1 C215.1 C216.1 C217.1 C218.1 C219.1 C220.1 C221.1 C222.1 C223.1 C224.1 C225.1 C226.1 C227.1 C228.1 C229.1 C230.1 C231.1 C232.1 C233.1 C234.1 C235.1 C236.1 C237.1 C238.1 C239.1 C240.1 C241.1 C242.1 C243.1 C244.1 C245.1 C246.1 C247.1 C248.1 C249.1 C250.1 C251.1 C252.1 C253.1 C254.1 C255.1 C256.1 C257.1 C258.1 C259.1 C260.1 C261.1 C262.1 LED1.1 LED2.1 LED3.1 LED4.1 LED5.1 LED6.1 LED7.1 LED8.1 LED9.1 LED10.1 LED11.1 LED12.1 LED13.1 LED14.1 LED15.1 LED16.1 LED17.1 LED18.1 LED19.1 LED20.1 LED21.1 LED22.1 LED23.1 LED24.1 LED25.1 LED26.1 LED27.1 LED28.1 LED29.1 LED30.1 LED31.1 LED32.1 LED33.1 LED34.1 LED35.1 LED36.1 LED37.1 LED38.1 LED39.1 LED40.1 LED41.1 LED42.1 LED43.1 LED44.1 LED45.1 LED46.1 LED47.1 LED48.1 LED49.1 LED50.1 LED51.1 LED52.1 LED53.1 LED54.1 LED55.1 LED56.1 LED57.1 LED58.1 LED59.1 LED60.1 LED61.1 LED62.1 LED63.1 LED64.1 LED65.1 LED66.1 LED67.1 LED68.1 LED69.1 LED70.1 LED71.1 LED72.1 LED73.1 LED74.1 LED75.1 LED76.1 LED77.1 LED78.1 LED79.1 LED80.1 LED81.1 R98.2 U2.3 USB1.1
GND: C1.2 C2.2 C3.2 C4.2 C5.2 C6.2 C7.2 C8.2 C9.2 C10.2 C11.2 C12.2 C13.2 C14.2 C15.2 C16.2 C17.2 C18.2 C19.2 C20.2 C21.2 C22.2 C23.2 C24.2 C25.2 C26.2 C27.2 C28.2 C29.2 C30.2 C31.2 C32.2 C33.2 C34.2 C35.2 C36.2 C37.2 C38.2 C39.2 C40.2 C41.2 C42.2 C43.2 C44.2 C45.2 C46.2 C47.2 C48.2 C49.2 C50.2 C51.2 C52.2 C53.2 C54.2 C55.2 C56.2 C57.2 C58.2 C59.2 C60.2 C61.2 C62.2 C63.2 C64.2 C65.2 C66.2 C67.2 C68.2 C69.2 C70.2 C71.2 C72.2 C73.2 C74.2 C75.2 C76.2 C77.2 C78.2 C79.2 C80.2 C81.2 C82.2 C83.2 C84.2 C85.2 C86.2 C87.2 C88.2 C89.2 C90.2 C91.2 C92.2 C93.2 C94.2 C95.2 C96.2 C97.2 C98.2 C99.2 C100.2 C101.2 C102.2 C103.2 C104.2 C105.2 C106.2 C107.2 C108.2 C109.2 C110.2 C111.2 C112.2 C113.2 C114.2 C115.2 C116.2 C117.2 C118.2 C119.2 C120.2 C121.2 C122.2 C123.2 C124.2 C125.2 C126.2 C127.2 C128.2 C129.2 C130.2 C131.2 C132.2 C133.2 C134.2 C135.2 C136.2 C137.2 C138.2 C139.2 C140.2 C141.2 C142.2 C143.2 C144.2 C145.2 C146.2 C147.2 C148.2 C149.2 C150.2 C151.2 C152.2 C153.2 C154.2 C155.2 C156.2 C157.2 C158.2 C159.2 C160.2 C161.2 C162.2 C163.2 C164.2 C165.2 C166.2 C167.2 C168.2 C171.2 C172.2 C173.2 C174.2 C175.2 C176.2 C177.2 C178.2 C179.2 C180.2 C181.2 C182.2 C183.2 C184.2 C185.2 C186.2 C187.2 C188.2 C189.2 C190.2 C191.2 C192.2 C193.2 C194.2 C195.2 C196.2 C197.2 C198.2 C199.2 C200.2 C201.2 C202.2 C203.2 C204.2 C205.2 C206.2 C207.2 C208.2 C209.2 C210.2 C211.2 C212.2 C213.2 C214.2 C215.2 C216.2 C217.2 C218.2 C219.2 C220.2 C221.2 C222.2 C223.2 C224.2 C225.2 C226.2 C227.2 C228.2 C229.2 C230.2 C231.2 C232.2 C233.2 C234.2 C235.2 C236.2 C237.2 C238.2 C239.2 C240.2 C241.2 C242.2 C243.2 C244.2 C245.2 C246.2 C247.2 C248.2 C249.2 C250.2 C251.2 C252.2 C253.2 C254.2 C255.2 C256.2 C257.2 C258.2 C259.2 C260.2 C261.2 C262.2 ENCODER1.C ENCODER1.S1 HALL1.2 HALL2.2 HALL3.2 HALL4.2 HALL5.2 HALL6.2 HALL7.2 HALL8.2 HALL9.2 HALL10.2 HALL11.2 HALL12.2 HALL13.2 HALL14.2 HALL15.2 HALL16.2 HALL17.2 HALL18.2 HALL19.2 HALL20.2 HALL21.2 HALL22.2 HALL23.2 HALL24.2 HALL25.2 HALL26.2 HALL27.2 HALL28.2 HALL29.2 HALL30.2 HALL31.2 HALL32.2 HALL33.2 HALL34.2 HALL35.2 HALL36.2 HALL37.2 HALL38.2 HALL39.2 HALL40.2 HALL41.2 HALL42.2 HALL43.2 HALL44.2 HALL45.2 HALL46.2 HALL47.2 HALL48.2 HALL49.2 HALL50.2 HALL51.2 HALL52.2 HALL53.2 HALL54.2 HALL55.2 HALL56.2 HALL57.2 HALL58.2 HALL59.2 HALL60.2 HALL61.2 HALL62.2 HALL63.2 HALL64.2 HALL65.2 HALL66.2 HALL67.2 HALL68.2 HALL69.2 HALL70.2 HALL71.2 HALL72.2 HALL73.2 HALL74.2 HALL75.2 HALL76.2 HALL77.2 HALL78.2 HALL79.2 HALL80.2 HALL81.2 JP1.1 LED1.3 LED2.3 LED3.3 LED4.3 LED5.3 LED6.3 LED7.3 LED8.3 LED9.3 LED10.3 LED11.3 LED12.3 LED13.3 LED14.3 LED15.3 LED16.3 LED17.3 LED18.3 LED19.3 LED20.3 LED21.3 LED22.3 LED23.3 LED24.3 LED25.3 LED26.3 LED27.3 LED28.3 LED29.3 LED30.3 LED31.3 LED32.3 LED33.3 LED34.3 LED35.3 LED36.3 LED37.3 LED38.3 LED39.3 LED40.3 LED41.3 LED42.3 LED43.3 LED44.3 LED45.3 LED46.3 LED47.3 LED48.3 LED49.3 LED50.3 LED51.3 LED52.3 LED53.3 LED54.3 LED55.3 LED56.3 LED57.3 LED58.3 LED59.3 LED60.3 LED61.3 LED62.3 LED63.3 LED64.3 LED65.3 LED66.3 LED67.3 LED68.3 LED69.3 LED70.3 LED71.3 LED72.3 LED73.3 LED74.3 LED75.3 LED76.3 LED77.3 LED78.3 LED79.3 LED80.3 LED81.3 OLED1.1 Q2.2 Q3.2 R82.2 R83.2 R89.2 R91.2 R94.2 SW2.1 SW2.2 SW2.3 SW2.4 SWD1.1 SWD1.3 U1.8 U1.23 U1.35 U1.47 U2.1 U3.3 U3.8 U4.3 U4.8 U5.12 U5.15 U6.12 U6.15 U7.12 U7.15 U8.12 U8.15 U9.12 U9.15 U10.12 U10.15 USB1.4 USB1.MP Y1.2 Y1.4
VDDA: C179.1 C180.1 FB1.1 U1.9
/ADC1_IN3: U1.12 U5.1
/ADC1_IN4: U1.13 U6.1
/ADC2_IN3: U1.16 U7.1
/ADC2_IN4: U1.17 U8.1
/ADC4_IN3: U1.25 U10.1
/ADC4_IN4: U1.27 U9.1
/BOOT0: C173.1 JP2.2 R88.2 R89.1 R90.1 U1.44
/DAC1_OUT1: BZ1.1 U1.14
/DAC1_OUT2: BZ1.2 U1.15
/ENCODER_A: ENCODER1.A U1.10
/ENCODER_B: ENCODER1.B U1.11
/ENCODER_SW: ENCODER1.S2 U1.4
/I2C1_SCL: OLED1.3 U1.42 U3.4 U3.7
/I2C1_SDA: OLED1.4 U1.43 U3.5 U3.6
/in_esr: C169.2 R82.1
/multiplexers/keys/KEYS_0_0: C2.1 R1.2 U5.3
/multiplexers/keys/KEYS_0_1: C4.1 R2.2 U5.7
/multiplexers/keys/KEYS_0_2: C6.1 R3.2 U6.3
/multiplexers/keys/KEYS_0_3: C8.1 R4.2 U6.7
/multiplexers/keys/KEYS_0_4: C10.1 R5.2 U7.3
/multiplexers/keys/KEYS_0_5: C12.1 R6.2 U7.7
/multiplexers/keys/KEYS_0_6: C14.1 R7.2 U8.4
/multiplexers/keys/KEYS_0_7: C16.1 R8.2 U8.5
/multiplexers/keys/KEYS_0_8: C18.1 R9.2 U8.7
/multiplexers/keys/KEYS_0_9: C20.1 R10.2 U9.6
/multiplexers/keys/KEYS_0_10: C22.1 R11.2 U9.5
/multiplexers/keys/KEYS_0_11: C24.1 R12.2 U9.7
/multiplexers/keys/KEYS_0_12: C26.1 R13.2 U10.5
/multiplexers/keys/KEYS_1_0: C28.1 R14.2 U5.4
/multiplexers/keys/KEYS_1_1: C30.1 R15.2 U5.5
/multiplexers/keys/KEYS_1_2: C32.1 R16.2 U6.4
/multiplexers/keys/KEYS_1_3: C34.1 R17.2 U6.5
/multiplexers/keys/KEYS_1_4: C36.1 R18.2 U7.4
/multiplexers/keys/KEYS_1_5: C38.1 R19.2 U7.5
